# Altium PCB waffling80-ALPS-north.PcbDoc (part 3 of 3)
Units mm, origin at the board's own origin, x right, y up, seen from the top; angles counter-clockwise.
Board outline 343.71 x 124.25 mm, 2 copper layers (Component Side, Bottom Layer), stack 1.171 mm thick; 238 components, 147 nets, 839 pads, 163 vias.
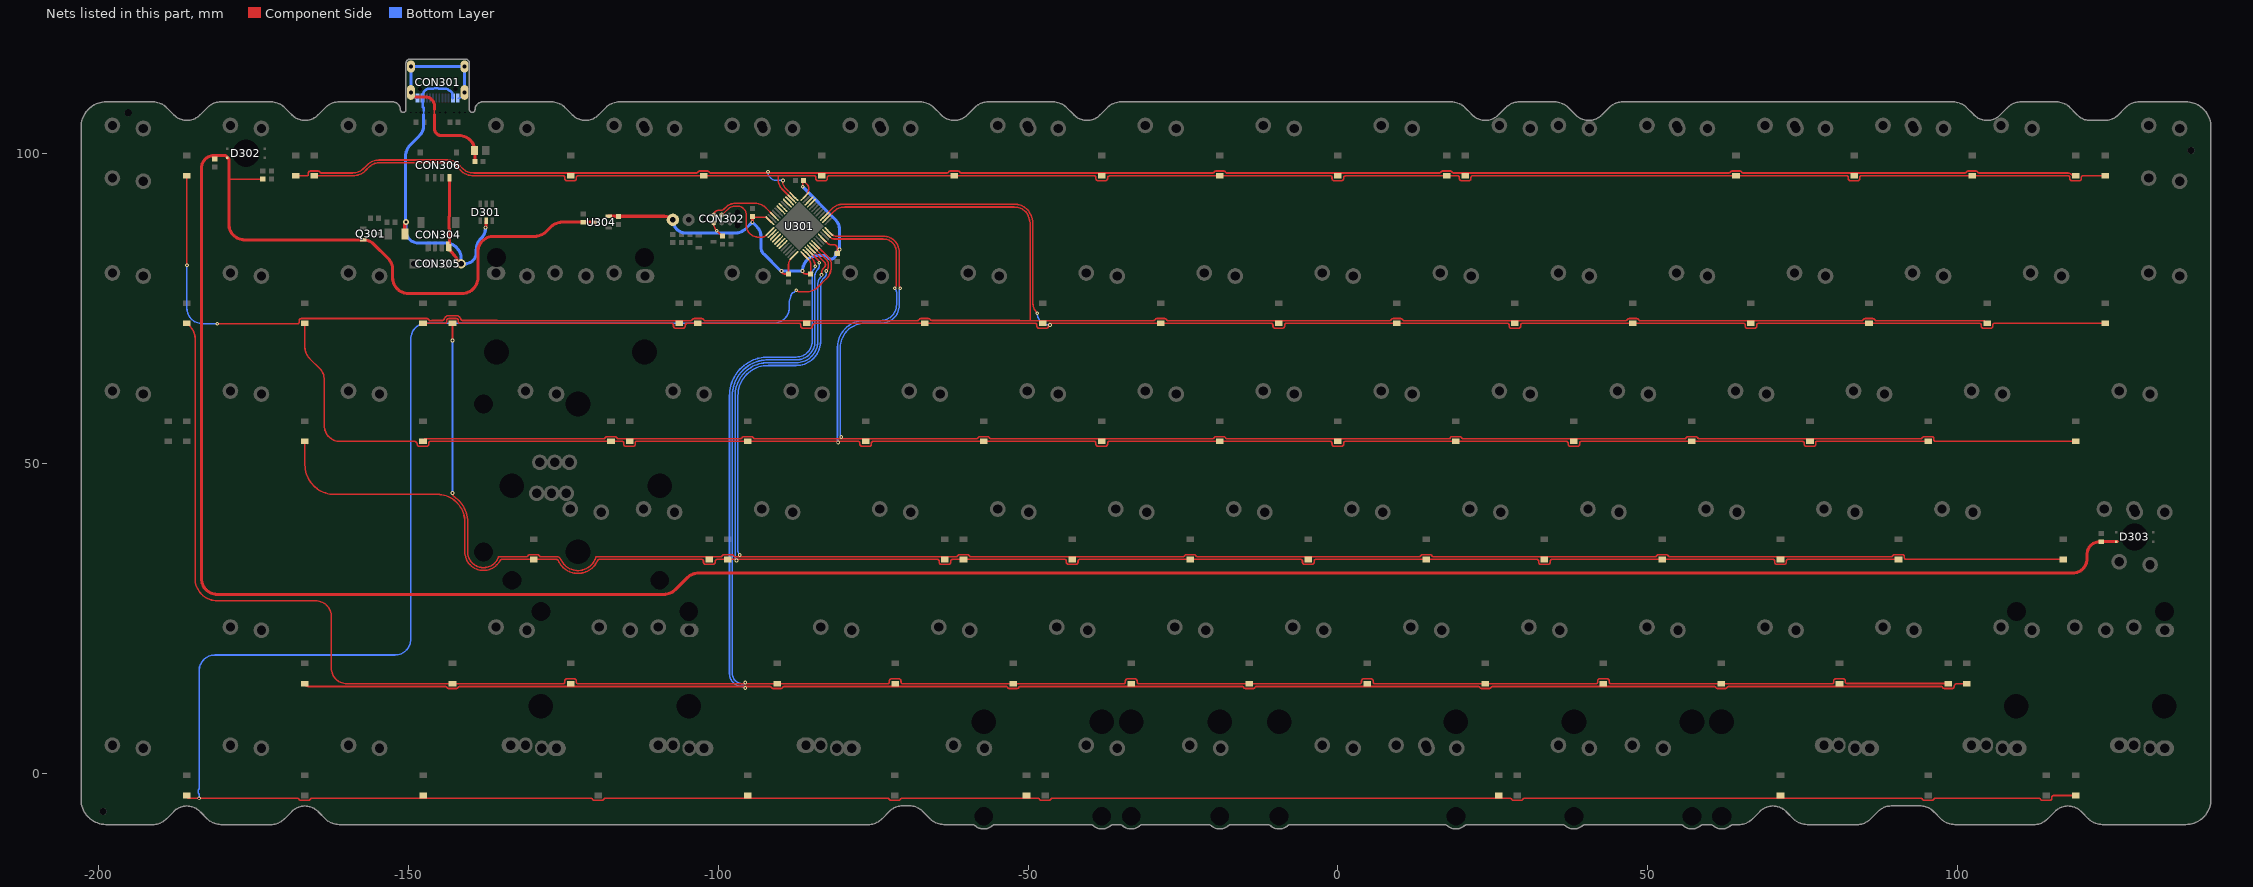
[diagram p3: the nets of this part, all layers, seen from the top]

## Via types
v1: diameter 0.6, hole 0.3, Component Side to Bottom Layer, tented both sides, 136 vias
v2: diameter 0.6, hole 0.3, Component Side to Bottom Layer, tented bottom, 25 vias
v3: diameter 1, hole 0.5, Component Side to Bottom Layer, tented both sides, 2 vias

## Nets (pads, with @x,y where several pads share a name; then routed paths per layer and width w, separated by ;. In a path a pad name is that pad's centre, name@x,y a point inside that pad or via, vN(x,y) a via of type N, cw(c..) or ccw(c..) an arc to the next point about the centre after c; other vN are vias at no path point) (continued)
PA1: D232.2 D235.2 D237.2 D239.2 D241.2 D243.2 D245.2 D247.2 U301.11 | length 335.4
  Component Side w0.254: D232.2@-166.688,72.565 -166.688,68.701 ccw(c-164.147,68.701) -165.944,66.905 -164.32,65.281 cw(c-166.116,63.485) -163.576,63.485 -163.576,56.058 ccw(c-161.036,56.058) -161.036,53.518 -149.033,53.518 cw(c-149.033,53.06) -148.575,53.06 ccw(c-148.248,53.06) -148.248,52.733 -147.028,52.733 ccw(c-147.027,53.06) -146.747,52.892 ccw(c-147.027,53.06) -146.7,53.06 -146.7,53.261 cw(c-146.446,53.261) -146.463,53.515 D247.2@-117.3,53.515 -115.492,53.515 cw(c-115.492,53.261) -115.238,53.261 -115.238,53.06 ccw(c-114.911,53.06) -114.911,52.733 -113.69,52.733 ccw(c-113.69,53.06) -113.363,53.06 -113.363,53.366 cw(c-113.109,53.366) -113.315,53.515 D245.2@-95.251,53.515 -77.392,53.515 cw(c-77.392,53.261) -77.138,53.261 -77.138,53.06 ccw(c-76.811,53.06) -76.811,52.733 -75.59,52.733 ccw(c-75.59,53.06) -75.263,53.06 -75.263,53.261 cw(c-75.009,53.261) -75.009,53.515 D243.2@-57.151,53.515 -39.292,53.515 cw(c-39.292,53.261) -39.038,53.261 -39.038,53.06 ccw(c-38.711,53.06) -38.711,52.733 -37.49,52.733 ccw(c-37.49,53.06) -37.163,53.06 -37.163,53.261 cw(c-36.909,53.261) -36.909,53.515 D241.2@-19.051,53.515 -1.192,53.515 cw(c-1.192,53.261) -0.938,53.261 -0.938,53.06 ccw(c-0.611,53.06) -0.611,52.733 0.61,52.733 ccw(c0.61,53.06) 0.933,53.012 ; U301.11@-82.316,86.865 -82.303,86.865 -81.785,86.348 ccw(c-81.379,86.754) -81.379,86.179 -73.333,86.179 cw(c-73.333,84.093) -71.247,84.093 -71.247,78.845 cw(c-72.114,78.845) v1(-71.501,78.232) ; 0.933,53.013 ccw(c0.61,53.06) 0.937,53.06 0.937,53.261 cw(c1.191,53.261) 1.191,53.515 D239.2@19.049,53.515 36.908,53.515 cw(c36.908,53.261) 37.162,53.261 37.162,53.06 ccw(c37.489,53.06) 37.489,52.733 38.71,52.733 ccw(c38.71,53.06) 39.029,52.992 ccw(c38.71,53.06) 39.037,53.06 39.037,53.261 cw(c39.291,53.261) 39.291,53.515 D237.2@57.149,53.515 75.008,53.515 cw(c75.008,53.261) 75.262,53.261 75.262,53.06 ccw(c75.589,53.06) 75.589,52.733 76.81,52.733 ccw(c76.81,53.06) 77.133,53.012 ; 77.133,53.013 ccw(c76.81,53.06) 77.137,53.06 77.137,53.359 cw(c77.391,53.359) 77.19,53.515 D235.2@95.249,53.515
  Bottom Layer w0.254: v1(-80.645,53.34) cw(c-80.416,53.569) -80.711,53.436 cw(c-80.416,53.569) -80.74,53.569 -80.74,54.026 ccw(c-80.994,54.025) -80.747,54.083 cw(c-80.137,54.229) -80.747,54.375 ccw(c-80.994,54.433) -80.74,54.432 -80.74,68.859 ccw(c-80.987,68.916) -80.734,68.902 cw(c-76.392,68.671) -76.622,73.013 ccw(c-76.637,73.266) -76.58,73.019 -75.43,73.019 -73.755,73.019 ccw(c-73.755,75.559) -71.215,75.559 -71.215,77.542 ccw(c-72.191,77.542) v1(-71.501,78.232)
PA2: D234.2 D236.2 D238.2 D240.2 D242.2 D244.2 D246.2 D248.2 U301.12 | length 318.7
  Component Side w0.254: D248.2@-147.59,53.467 D248.2@-147.637,53.515 cw(c-147.184,53.515) -147.184,53.969 -118.432,53.969 ccw(c-118.434,54.223) -118.205,54.112 cw(c-117.911,53.97) -117.911,54.297 -116.69,54.297 cw(c-116.69,53.97) -116.396,54.112 ccw(c-116.167,54.223) -116.169,53.969 -109.021,53.969 ccw(c-109.021,54.223) -108.966,53.975 -99.441,53.975 cw(c-99.441,53.086) -99.349,53.97 ccw(c-99.324,54.223) -99.325,53.969 -96.382,53.969 ccw(c-96.384,54.223) -96.155,54.112 cw(c-95.861,53.97) -95.861,54.297 -94.64,54.297 cw(c-94.64,53.97) -94.346,54.112 ccw(c-94.117,54.223) -94.119,53.969 -58.282,53.969 ccw(c-58.284,54.223) -58.055,54.112 cw(c-57.761,53.97) -57.761,54.297 -56.54,54.297 cw(c-56.54,53.97) -56.246,54.112 ccw(c-56.017,54.223) -56.019,53.969 -20.182,53.969 ccw(c-20.184,54.223) -19.955,54.112 cw(c-19.661,53.97) -19.661,54.297 -18.44,54.297 cw(c-18.44,53.97) -18.146,54.111 ccw(c-17.917,54.223) -17.919,53.969 18.113,53.969 ; U301.12@-81.962,87.219 -81.669,86.926 ccw(c-80.962,87.633) -80.962,86.633 -73.333,86.633 cw(c-73.333,84.093) -70.793,84.093 -70.793,78.669 ccw(c-70.175,78.669) v1(-70.612,78.232) ; 18.112,53.97 cw(c18.439,53.97) 18.439,54.297 19.66,54.297 cw(c19.66,53.97) 19.954,54.112 ccw(c20.183,54.223) 20.181,53.969 56.018,53.969 ccw(c56.016,54.223) 56.245,54.112 cw(c56.539,53.97) 56.539,54.297 57.76,54.297 cw(c57.76,53.97) 58.054,54.112 ccw(c58.283,54.223) 58.281,53.969 94.118,53.969 ccw(c94.116,54.223) 94.345,54.112 cw(c94.639,53.97) 94.639,54.297 95.86,54.297 cw(c95.86,53.97) 96.154,54.111 cw(c95.86,53.97) 96.187,53.97 96.187,53.769 ccw(c96.441,53.769) 96.441,53.515 D234.2@119.062,53.515
  Bottom Layer w0.254: v1(-80.137,54.229) cw(c-79.777,54.589) -80.285,54.551 cw(c-79.777,54.589) -80.286,54.589 -80.286,68.671 cw(c-76.392,68.671) -76.392,72.565 -73.755,72.565 ccw(c-73.755,75.559) -70.831,74.916 ccw(c-73.755,75.559) -70.761,75.559 -70.761,77.872 cw(c-70.252,77.872) v1(-70.612,78.232)
PA4: D216.2 D218.2 D220.2 D222.2 D224.2 D226.2 D228.2 D230.2 U301.14 | length 367.5
  Component Side w0.254: v1(-185.737,81.936) D216.2@-185.737,96.377 ; v1(-180.838,72.507) -167.879,72.507 ccw(c-167.879,72.761) -167.625,72.761 -167.625,73.02 cw(c-167.298,73.02) -167.584,73.178 cw(c-167.298,73.02) -167.298,73.347 -147.637,73.347 ; -148.248,73.347 -147.637,73.347 ; U301.14@-82.316,89.658 -81.379,90.594 cw(c-79.583,88.798) -79.583,91.338 -52.197,91.338 cw(c-52.197,88.798) -50.399,90.592 cw(c-50.58,90.414) -50.382,90.574 cw(c-52.93,88.519) -49.657,88.519 -49.657,73.019 ; D218.2@104.774,72.565 104.321,73.019 86.856,73.019 cw(c86.858,73.273) 86.629,73.162 ccw(c86.335,73.02) 86.335,73.347 85.114,73.347 ccw(c85.114,73.02) 84.82,73.162 cw(c84.591,73.273) 84.593,73.019 48.756,73.019 cw(c48.758,73.273) 48.529,73.162 ccw(c48.235,73.02) 48.235,73.347 47.014,73.347 ccw(c47.014,73.02) 46.72,73.162 cw(c46.491,73.273) 46.493,73.019 10.656,73.019 cw(c10.658,73.273) 10.429,73.162 ccw(c10.135,73.02) 10.135,73.347 8.914,73.347 ccw(c8.914,73.02) 8.62,73.162 cw(c8.391,73.273) 8.393,73.019 -27.444,73.019 cw(c-27.442,73.273) -27.671,73.162 ccw(c-27.965,73.02) -27.965,73.347 -29.186,73.347 ccw(c-29.186,73.02) -29.48,73.162 cw(c-29.709,73.273) -29.707,73.019 -49.657,73.019 ; -147.637,73.347 -147.027,73.347 cw(c-147.027,73.02) -146.943,73.336 cw(c-147.027,73.02) -146.733,73.162 ccw(c-146.504,73.273) -146.506,73.019 -146.243,73.019 ccw(c-146.244,73.273) -146.218,73.02 -146.187,73.024 cw(c-146.161,72.771) -146.162,73.025 -144.486,73.025 ccw(c-144.488,73.279) -144.242,73.215 cw(c-143.486,73.02) -143.486,73.801 -142.265,73.801 cw(c-142.265,73.02) -141.509,73.214 ccw(c-141.263,73.279) -141.265,73.025 -135.636,73.025 -135.636,73.019 -104.407,73.019 ccw(c-104.409,73.273) -104.18,73.162 cw(c-103.886,73.02) -103.886,73.347 -102.665,73.347 cw(c-102.665,73.02) -102.371,73.162 ccw(c-102.142,73.273) -102.144,73.019 -67.807,73.019 ccw(c-67.809,73.273) -67.58,73.162 cw(c-67.286,73.02) -67.286,73.347 -66.065,73.347 cw(c-66.065,73.02) -65.774,73.168 ccw(c-65.548,73.285) -65.549,73.031 -51.402,73.031 cw(c-51.402,72.777) -51.325,73.019 -49.657,73.019
  Bottom Layer w0.254: v1(-185.737,81.936) -185.737,75.047 ccw(c-183.197,75.047) -183.197,72.507 v1(-180.838,72.507)
PA5: D217.2 D219.2 D221.2 D223.2 D225.2 D227.2 D229.2 D231.2 U301.15 | length 334
  Component Side w0.254: D231.2@-147.637,72.565 -144.067,72.565 ccw(c-144.067,72.819) -143.813,72.819 -143.813,73.02 cw(c-143.486,73.02) -143.486,73.347 -142.265,73.347 cw(c-142.265,73.02) -141.938,73.02 -141.938,72.819 ccw(c-141.684,72.819) -141.684,72.565 -107.467,72.565 cw(c-107.467,72.311) -107.213,72.311 -107.213,72.11 ccw(c-106.886,72.11) -106.886,71.783 -105.665,71.783 ccw(c-105.665,72.11) -105.338,72.11 -105.338,72.311 cw(c-105.084,72.311) -105.084,72.565 -104.963,72.565 ; -105.265,72.369 -105.142,72.491 cw(c-104.963,72.311) -104.963,72.565 ; U301.15@-82.669,90.012 -81.633,91.048 cw(c-79.837,89.252) -79.837,91.792 -52.197,91.792 cw(c-52.197,88.798) -50.909,91.501 cw(c-52.197,88.798) -50.076,90.912 cw(c-50.58,90.414) -50.056,90.89 cw(c-50.58,90.414) -50.03,90.86 cw(c-52.93,88.519) -49.765,90.487 cw(c-52.93,88.519) -49.203,88.519 -49.203,75.862 ccw(c-46.852,75.862) v1(-48.515,74.2) ; D217.2@123.824,72.565 105.966,72.565 ccw(c105.966,72.311) 105.712,72.311 105.712,72.11 cw(c105.385,72.11) 105.619,71.882 cw(c105.385,72.11) 105.385,71.783 104.164,71.783 cw(c104.164,72.11) 103.837,72.11 103.837,72.311 ccw(c103.583,72.311) 103.583,72.565 D219.2@85.724,72.565 67.866,72.565 ccw(c67.866,72.311) 67.612,72.311 67.612,72.11 cw(c67.285,72.11) 67.582,71.974 cw(c67.285,72.11) 67.285,71.783 66.064,71.783 cw(c66.064,72.11) 65.737,72.11 65.737,72.311 ccw(c65.483,72.311) 65.483,72.565 D221.2@47.624,72.565 29.766,72.565 ccw(c29.766,72.311) 29.512,72.311 29.512,72.11 cw(c29.185,72.11) 29.185,71.783 27.964,71.783 cw(c27.964,72.11) 27.637,72.11 27.637,72.311 ccw(c27.383,72.311) 27.383,72.565 D223.2@9.524,72.565 -8.334,72.565 ccw(c-8.334,72.311) -8.588,72.311 -8.588,72.11 cw(c-8.915,72.11) -8.596,72.042 cw(c-8.915,72.11) -8.915,71.783 -10.136,71.783 cw(c-10.136,72.11) -10.463,72.11 -10.463,72.311 ccw(c-10.717,72.311) -10.717,72.565 D225.2@-28.576,72.565 -46.434,72.565 ccw(c-46.434,72.311) -46.688,72.311 -46.688,72.11 cw(c-47.015,72.11) -47.015,71.783 -48.236,71.783 cw(c-48.236,72.11) -48.563,72.11 -48.563,72.311 ccw(c-48.817,72.311) -48.817,72.565 D227.2@-66.676,72.565 -84.331,72.565 ccw(c-84.331,72.107) -84.789,72.107 cw(c-85.115,72.11) -84.795,72.044 cw(c-85.115,72.11) -85.115,71.783 -86.336,71.783 cw(c-86.336,72.11) -86.663,72.11 -86.663,72.311 ccw(c-86.917,72.311) -86.917,72.565 D229.2@-103.276,72.565 -104.963,72.565
  Bottom Layer w0.254: v1(-48.515,74.2) ccw(c-46.625,74.2) -46.625,72.311 v1(-46.434,72.311)
PA9: U301.30
PA10: U301.31
PA15: U301.38
PB3: U301.39
PB4: U301.40
PB5: U301.41
PB6: U301.42
PB7: U301.43
PB10: U301.21
PB11: U301.22
PB12: D203.2 D205.2 D207.2 D209.2 D211.2 D213.2 D215.2 D290.2 U301.25 | length 297.2
  Component Side w0.254: D215.2@-168.188,96.377 -166.379,96.377 ccw(c-166.379,96.631) -166.125,96.631 -166.125,96.832 cw(c-165.798,96.832) -165.798,97.159 -164.578,97.159 cw(c-164.578,96.832) -164.283,96.974 ccw(c-164.055,97.085) -164.056,96.831 -158.983,96.831 ccw(c-158.983,99.371) -157.187,97.575 -156.573,98.189 cw(c-154.777,96.393) -154.777,98.933 -143.673,98.933 cw(c-143.673,96.393) -141.877,98.189 -141.263,97.575 ccw(c-139.467,99.371) -139.467,96.831 -103.494,96.831 ccw(c-103.495,97.085) -103.267,96.974 cw(c-102.972,96.832) -102.972,97.159 -101.752,97.159 cw(c-101.752,96.832) -101.457,96.974 ccw(c-101.229,97.085) -101.23,96.831 -63.045,96.831 ccw(c-63.047,97.085) -62.818,96.974 cw(c-62.524,96.832) -62.524,97.159 -61.303,97.159 cw(c-61.303,96.832) -61.009,96.974 ccw(c-60.78,97.085) -60.782,96.831 -20.182,96.831 ccw(c-20.184,97.085) -19.955,96.974 cw(c-19.661,96.832) -19.661,97.159 -18.44,97.159 cw(c-18.44,96.832) -18.146,96.974 ccw(c-17.917,97.085) -17.919,96.831 16.417,96.831 ccw(c16.416,97.085) 16.644,96.974 cw(c16.939,96.832) 16.939,97.159 18.159,97.159 cw(c18.159,96.832) 18.431,97.013 cw(c18.159,96.832) 18.454,96.974 ccw(c18.682,97.085) 18.681,96.831 63.13,96.831 ccw(c63.129,97.085) 63.357,96.974 cw(c63.652,96.832) 63.652,97.159 64.872,97.159 cw(c64.872,96.832) 65.167,96.974 ccw(c65.395,97.085) 65.394,96.831 101.23,96.831 ccw(c101.229,97.085) 101.457,96.974 cw(c101.752,96.832) 101.752,97.159 102.972,97.159 cw(c102.972,96.832) 103.267,96.974 ccw(c103.495,97.085) 103.494,96.831 117.871,96.831 cw(c117.871,96.123) 118.473,96.496 ccw(c118.688,96.631) 118.504,96.456 118.579,96.456 D290.2@119.062,96.377 ; v1(-89.535,95.631) -89.566,95.6 -89.566,95.285 ccw(c-88.451,95.285) -89.24,94.496 U301.25@-87.937,93.194
  Bottom Layer w0.254: v1(-91.948,97.028) ccw(c-90.551,97.028) -90.551,95.631 v1(-89.535,95.631)
PB13: D201.2 D202.2 D204.2 D206.2 D208.2 D210.2 D212.2 D214.2 U301.26 | length 302
  Component Side w0.254: D214.2@-165.188,96.377 -158.983,96.377 ccw(c-158.983,99.371) -156.865,97.255 -156.253,97.867 cw(c-154.777,96.393) -154.777,98.479 -143.673,98.479 cw(c-143.673,96.393) -142.195,97.865 -141.586,97.256 ccw(c-139.467,99.371) -139.467,96.377 -125.017,96.377 cw(c-125.017,96.123) -124.763,96.123 -124.763,95.922 ccw(c-124.436,95.922) -124.436,95.595 -123.215,95.595 ccw(c-123.215,95.922) -122.932,95.759 ccw(c-123.215,95.922) -122.888,95.922 -122.888,96.123 cw(c-122.634,96.123) -122.634,96.377 D212.2@-102.362,96.377 -90.285,96.377 ; U301.26@-88.291,92.84 -89.721,94.271 cw(c-88.361,95.631) -90.285,95.631 -90.285,96.377 ; D201.2@123.824,96.377 120.254,96.377 ccw(c120.254,96.123) 120,96.123 120,95.922 cw(c119.673,95.922) 119.999,95.915 cw(c119.673,95.922) 119.673,95.595 118.452,95.595 cw(c118.452,95.922) 118.125,95.922 118.125,96.123 ccw(c117.871,96.123) 117.871,96.377 D202.2@102.362,96.377 84.378,96.377 ccw(c84.503,96.156) 84.249,96.156 84.249,95.922 cw(c83.922,95.922) 83.922,95.595 82.702,95.595 cw(c82.702,95.922) 82.375,95.922 82.375,96.123 ccw(c82.121,96.123) 82.121,96.377 D204.2@64.262,96.377 21.74,96.377 ccw(c21.74,96.123) 21.486,96.123 21.486,95.922 cw(c21.159,95.922) 21.159,95.595 19.939,95.595 cw(c19.939,95.922) 19.612,95.922 19.612,96.123 ccw(c19.358,96.123) 19.358,96.377 D206.2@17.549,96.377 1.529,96.377 ccw(c1.529,93.837) 1.153,96.349 ccw(c1.191,96.098) 0.937,96.099 0.937,95.922 cw(c0.61,95.922) 0.61,95.595 -0.611,95.595 cw(c-0.611,95.922) -0.938,95.922 -0.938,96.129 ccw(c-1.192,96.129) -1.134,96.377 D208.2@-19.051,96.377 -36.473,96.377 ccw(c-36.473,93.837) -36.792,96.357 ccw(c-36.473,93.837) -36.959,96.33 ccw(c-36.909,96.081) -37.163,96.082 -37.163,95.922 cw(c-37.49,95.922) -37.164,95.915 cw(c-37.49,95.922) -37.49,95.595 -38.711,95.595 cw(c-38.711,95.922) -39.038,95.922 -39.038,96.123 ccw(c-39.292,96.123) -39.292,96.377 D210.2@-61.914,96.377 -82.121,96.377 ccw(c-82.121,96.123) -82.375,96.123 -82.375,95.922 cw(c-82.702,95.922) -82.702,95.595 -83.922,95.595 cw(c-83.922,95.922) -84.249,95.922 -84.249,96.123 ccw(c-84.503,96.123) -84.503,96.377 -90.285,96.377
PB14: U301.27
PB15: U301.28
PC13: D265.2 D267.2 D269.2 D271.2 D273.2 D275.2 D277.2 D279.2 U301.2 | length 352.1
  Component Side w0.254: D279.2@-166.688,14.415 ccw(c-166.234,14.415) -166.604,14.153 ccw(c-166.234,14.415) -166.234,13.961 -144.007,13.961 cw(c-144.009,13.707) -143.78,13.818 ccw(c-143.486,13.96) -143.738,13.752 ccw(c-143.486,13.96) -143.486,13.633 -142.265,13.633 ccw(c-142.265,13.96) -141.986,13.79 cw(c-141.77,13.657) -141.95,13.836 -141.898,13.888 cw(c-141.719,13.708) -141.738,13.961 ; -141.737,13.961 -91.62,13.961 cw(c-91.621,13.707) -91.393,13.818 ccw(c-91.098,13.96) -91.098,13.633 -89.878,13.633 ccw(c-89.878,13.96) -89.583,13.819 cw(c-89.355,13.707) -89.356,13.961 -53.52,13.961 cw(c-53.521,13.707) -53.292,13.818 ccw(c-52.998,13.96) -52.998,13.633 -51.778,13.633 ccw(c-51.778,13.96) -51.483,13.818 cw(c-51.255,13.707) -51.256,13.961 -15.42,13.961 cw(c-15.421,13.707) -15.192,13.818 ccw(c-14.898,13.96) -14.898,13.633 -13.678,13.633 ccw(c-13.678,13.96) -13.383,13.819 cw(c-13.155,13.707) -13.156,13.961 22.68,13.961 cw(c22.679,13.707) 22.908,13.818 ccw(c23.202,13.96) 23.202,13.633 24.422,13.633 ccw(c24.422,13.96) 24.717,13.818 cw(c24.945,13.707) 24.944,13.961 60.78,13.961 cw(c60.779,13.707) 61.008,13.818 ccw(c61.302,13.96) 61.302,13.633 62.522,13.633 ccw(c62.522,13.96) 62.817,13.818 cw(c63.045,13.707) 63.044,13.961 97.383,13.961 cw(c97.381,13.707) 97.61,13.818 ccw(c97.904,13.96) 97.904,13.633 99.125,13.633 ccw(c99.125,13.96) 99.451,13.958 cw(c99.705,13.954) 99.452,13.969 cw(c99.705,13.954) 99.454,13.988 cw(c99.945,13.919) 99.945,14.415 D265.2@101.514,14.415 ; U301.2@-85.498,83.683 -84.841,83.027 ; -84.84,83.026 cw(c-86.08,81.788) v1(-84.328,81.788)
  Bottom Layer w0.254: v1(-95.631,13.716) ccw(c-95.834,13.564) -95.655,13.743 -95.801,13.889 ccw(c-95.981,13.71) -95.999,13.964 cw(c-96.075,15.028) -96.075,13.961 cw(c-96.075,16.057) -96.337,13.977 cw(c-96.075,16.057) -98.171,16.057 -98.171,60.911 cw(c-91.953,60.911) -97.36,63.981 cw(c-91.953,60.911) -96.242,65.413 ccw(c-96.418,65.596) -96.227,65.429 cw(c-95.883,65.132) -96.206,65.452 cw(c-95.704,64.952) -96.134,65.514 ccw(c-96.289,65.715) -96.12,65.526 cw(c-91.953,60.911) -95.217,66.204 ; -95.189,66.22 cw(c-91.953,60.911) -94.282,66.676 cw(c-91.953,60.911) -93.69,66.881 cw(c-91.953,60.911) -93.627,66.899 ccw(c-93.697,67.144) -93.606,66.906 -93.584,66.915 cw(c-93.325,66.256) -93.435,66.955 cw(c-93.363,66.507) -93.406,66.959 ccw(c-93.431,67.212) -93.375,66.964 cw(c-91.953,60.911) -92.361,67.116 ccw(c-92.379,67.369) -92.351,67.116 -92.287,67.124 cw(c-92.203,66.421) -92.205,67.129 ; -92.204,67.129 -87.377,67.129 ccw(c-87.377,69.669) -84.837,69.669 -84.837,80.393 cw(c-83.326,80.393) -84.613,81.183 -84.554,81.243 ccw(c-84.744,81.411) -84.532,81.27 cw(c-83.002,80.259) -84.435,81.404 ccw(c-84.634,81.562) -84.407,81.448 ccw(c-84.634,81.562) -84.406,81.451 ccw(c-85.099,81.788) -84.394,81.475 ccw(c-85.099,81.788) v1(-84.328,81.788)
PC14: D233.2 D266.2 D268.2 D270.2 D272.2 D274.2 D276.2 D278.2 U301.3 | length 425.7
  Component Side w0.254: D233.2@-185.737,72.565 -185.163,71.99 cw(c-186.959,70.194) -184.419,70.194 -184.419,31.369 ccw(c-180.848,31.369) -180.848,27.798 -164.973,27.798 cw(c-164.973,25.258) -162.438,25.417 cw(c-164.973,25.258) -162.433,25.258 -162.433,16.955 ccw(c-159.893,16.955) -159.893,14.415 D278.2@-142.876,14.415 -125.017,14.415 ccw(c-125.017,14.669) -124.763,14.669 -124.763,14.87 cw(c-124.436,14.87) -124.436,15.197 -123.215,15.197 cw(c-123.215,14.87) -122.888,14.87 -122.888,14.669 ccw(c-122.634,14.669) -122.634,14.415 D276.2@-90.488,14.415 -72.629,14.415 ccw(c-72.629,14.669) -72.375,14.669 -72.375,14.87 cw(c-72.048,14.87) -72.048,15.197 -70.828,15.197 cw(c-70.828,14.87) -70.501,14.87 -70.501,14.669 ccw(c-70.247,14.669) -70.247,14.415 D274.2@-52.388,14.415 -34.529,14.415 ccw(c-34.529,14.669) -34.275,14.669 -34.275,14.87 cw(c-33.948,14.87) -33.948,15.197 -32.728,15.197 cw(c-32.728,14.87) -32.401,14.87 -32.401,14.669 ccw(c-32.147,14.669) -32.147,14.415 D272.2@-14.288,14.415 3.571,14.415 ccw(c3.571,14.669) 3.825,14.669 3.825,14.87 cw(c4.152,14.87) 3.825,14.873 cw(c4.152,14.87) 4.152,15.197 5.372,15.197 cw(c5.372,14.87) 5.699,14.87 5.699,14.669 ccw(c5.953,14.669) 5.953,14.415 D270.2@23.812,14.415 41.671,14.415 ccw(c41.671,14.669) 41.925,14.669 41.925,14.87 cw(c42.252,14.87) 42.252,15.197 43.472,15.197 cw(c43.472,14.87) 43.799,14.87 43.799,14.669 ccw(c44.053,14.669) 44.053,14.415 D268.2@61.912,14.415 79.771,14.415 ccw(c79.771,14.669) 80.025,14.669 80.025,14.87 cw(c80.352,14.87) 80.352,15.197 81.572,15.197 cw(c81.572,14.87) 81.899,14.87 81.899,14.699 ccw(c82.153,14.699) 82.153,14.445 98.031,14.445 D266.2@98.514,14.415 ; U301.3@-85.144,84.037 -83.84,82.733 cw(c-84.231,82.343) -83.745,82.605 cw(c-84.231,82.343) v1(-83.679,82.343)
  Bottom Layer w0.254: -96.015,65 cw(c-91.953,60.911) -95.998,65.017 ; -95.883,65.132 cw(c-95.704,64.952) -95.842,65.165 ; v1(-95.631,14.605) -95.641,14.595 cw(c-96.075,15.028) -96.075,14.415 cw(c-96.075,16.057) -97.717,16.057 -97.717,60.911 cw(c-91.953,60.911) -96.334,64.657 cw(c-91.953,60.911) -95.998,65.017 ; -93.364,66.507 ccw(c-93.325,66.256) -93.417,66.493 -93.461,66.476 cw(c-93.553,66.712) -93.485,66.468 ccw(c-91.953,60.911) -93.567,66.444 ccw(c-91.953,60.911) -93.858,66.351 ccw(c-91.953,60.911) -95.842,65.165 ; -93.363,66.507 ccw(c-93.364,66.761) -93.306,66.514 cw(c-91.953,60.911) -92.792,66.614 cw(c-91.953,60.911) -92.321,66.663 ccw(c-92.338,66.917) -92.309,66.664 -92.232,66.673 cw(c-92.203,66.421) -92.204,66.675 -87.377,66.675 ccw(c-87.377,69.669) -84.383,69.669 -84.383,80.259 cw(c-83.002,80.259) -83.978,81.235 -83.964,81.249 ; -83.964,81.249 ccw(c-84.654,81.939) -83.871,81.357 cw(c-83.667,81.205) -83.858,81.373 ccw(c-84.328,81.788) -83.707,81.7 cw(c-83.456,81.663) -83.704,81.719 ccw(c-84.654,81.939) -83.679,81.939 v1(-83.679,82.343) ; -95.998,65.018 cw(c-91.953,60.911) -95.842,65.165
PC15: D249.2 D252.2 D254.2 D256.2 D258.2 D260.2 D262.2 D296.2 U301.4 | length 345.3
  Component Side w0.254: D249.2@-166.283,53.111 -166.335,53.187 D249.2@-166.688,53.515 -166.688,49.742 ccw(c-161.903,49.742) -161.903,44.958 -145.328,44.958 cw(c-145.328,40.511) -140.881,40.511 -140.881,36.15 ccw(c-140.427,36.147) -140.871,36.057 cw(c-141.12,36.007) -140.868,35.982 ccw(c-137.877,35.692) -140.554,34.327 ; -140.042,33.608 cw(c-137.877,35.692) -140.554,34.327 ; -122.532,32.219 cw(c-122.637,35.692) -123.259,32.273 ; U301.4@-84.791,84.39 -82.845,82.445 cw(c-83.258,82.032) -82.674,82.032 cw(c-83.258,82.032) -82.845,81.62 -83.043,81.422 ccw(c-82.392,80.772) -83.312,80.772 v1(-83.312,80.391) ; D252.2@90.487,34.465 72.628,34.465 ccw(c72.628,34.211) 72.374,34.211 72.374,34.01 cw(c72.047,34.01) 72.047,33.683 70.827,33.683 cw(c70.827,34.01) 70.5,34.01 70.5,34.211 ccw(c70.246,34.211) 70.246,34.465 D254.2@52.387,34.465 34.528,34.465 ccw(c34.528,34.211) 34.274,34.211 34.274,34.01 cw(c33.947,34.01) 33.947,33.683 32.727,33.683 cw(c32.727,34.01) 32.4,34.01 32.4,34.211 ccw(c32.146,34.211) 32.146,34.465 D256.2@14.287,34.465 -3.572,34.465 ccw(c-3.572,34.211) -3.826,34.211 -3.826,34.01 cw(c-4.153,34.01) -4.153,33.683 -5.373,33.683 cw(c-5.373,34.01) -5.7,34.01 -5.7,34.211 ccw(c-5.954,34.211) -5.954,34.465 D258.2@-23.813,34.465 -41.672,34.465 ccw(c-41.672,34.211) -41.926,34.211 -41.926,34.01 cw(c-42.253,34.01) -42.253,33.683 -43.473,33.683 cw(c-43.473,34.01) -43.8,34.01 -43.8,34.211 ccw(c-44.054,34.211) -44.054,34.465 D260.2@-60.413,34.465 -62.222,34.465 ccw(c-62.222,34.211) -62.476,34.211 -62.476,34.01 cw(c-62.803,34.01) -62.803,33.683 -64.023,33.683 cw(c-64.023,34.01) -64.35,34.01 -64.35,34.211 ccw(c-64.604,34.211) -64.604,34.465 -70.866,34.465 cw(c-70.866,34.919) -70.926,34.469 ccw(c-70.958,34.217) -70.957,34.471 -77.638,34.471 -77.638,34.465 D262.2@-98.431,34.465 -100.167,34.465 ccw(c-100.167,34.211) -100.346,34.391 -100.42,34.317 ccw(c-100.239,34.138) -100.493,34.138 -100.493,34.01 cw(c-100.82,34.01) -100.82,33.683 -102.041,33.683 cw(c-102.041,34.01) -102.368,34.01 -102.368,34.211 ccw(c-102.622,34.211) -102.622,34.465 -119.216,34.465 ccw(c-119.214,34.211) -119.447,34.313 cw(c-122.637,35.692) -121.994,32.277 cw(c-122.637,35.692) -123.259,32.273 ; -140.554,34.327 ccw(c-137.877,35.692) -135.199,34.328 cw(c-134.974,34.211) -135.194,34.338 cw(c-134.974,34.211) -134.975,34.465 D296.2@-129.789,34.465 -126.058,34.465 cw(c-126.059,34.211) -125.826,34.312 ccw(c-122.637,35.692) -125.519,33.751 ccw(c-122.637,35.692) -124.774,32.952 ccw(c-122.637,35.692) -123.259,32.273
  Bottom Layer w0.254: v1(-97.028,34.29) cw(c-96.461,34.857) -97.263,34.857 -97.263,60.911 cw(c-91.953,60.911) -96.233,64.054 cw(c-91.953,60.911) -95.339,65.002 cw(c-91.953,60.911) -91.953,66.221 -87.377,66.221 ccw(c-87.377,69.669) -84.348,68.021 ccw(c-87.377,69.669) -83.929,69.669 -83.929,78.764 ccw(c-84.182,78.766) -83.928,78.765 -83.928,78.833 cw(c-82.231,78.827) -83.511,79.941 ; -83.661,79.742 cw(c-82.231,78.827) -83.511,79.941 ; v1@-83.378,80.126 ccw(c-83.875,80.391) v1(-83.312,80.391) cw(c-84.037,80.391) -83.362,80.126 cw(c-83.598,80.219) -83.418,80.04 -83.43,80.029 ccw(c-82.231,78.827) -83.511,79.941
PF0: D251.2 D253.2 D255.2 D257.2 D259.2 D261.2 D263.2 D264.2 U301.5 | length 362.2
  Component Side w0.254: v1(-142.875,45.18) ccw(c-142.096,45.18) -142.647,44.629 -142.601,44.584 cw(c-145.328,40.511) -141.364,43.393 cw(c-145.328,40.511) -140.427,40.511 -140.427,40.242 ccw(c-140.173,40.243) -140.425,40.214 cw(c-142.947,39.914) -140.407,39.914 -140.407,36.015 ccw(c-137.877,35.692) -140.427,35.769 ccw(c-137.877,35.692) -140.427,35.765 ccw(c-137.877,35.692) -139,33.401 ; v1(-142.876,69.79) D264.2@-142.876,72.565 ; -138.998,33.401 ccw(c-137.877,35.692) -138.996,33.4 ccw(c-137.877,35.692) -137.986,33.143 ; -137.694,33.148 cw(c-137.877,35.692) -137.986,33.143 ; -125.411,34.495 ccw(c-126.059,34.211) -126.058,34.919 -128.657,34.919 cw(c-128.655,35.173) -128.884,35.061 ccw(c-129.178,34.92) -129.178,35.247 -130.399,35.247 ccw(c-130.399,34.92) -130.693,35.062 cw(c-130.922,35.173) -130.92,34.919 -135.248,34.919 ccw(c-135.248,34.593) -135.337,34.907 ccw(c-135.267,34.662) -135.503,34.757 cw(c-137.877,35.692) -135.549,34.649 cw(c-137.877,35.692) -135.575,34.593 cw(c-137.877,35.692) -137.325,33.201 cw(c-137.877,35.692) -137.986,33.143 ; -125.4,34.472 ccw(c-122.637,35.692) -119.768,34.746 cw(c-119.527,34.665) -119.528,34.919 -99.562,34.919 ccw(c-99.564,35.173) -99.335,35.062 cw(c-99.041,34.92) -99.041,35.247 -97.821,35.247 cw(c-97.821,34.92) -97.526,35.062 ccw(c-97.297,35.173) -97.299,34.919 -79.064,34.919 ccw(c-79.065,35.173) -79.033,34.921 cw(c-78.973,34.471) -78.973,34.925 -70.866,34.925 -70.866,34.919 -61.545,34.919 ccw(c-61.546,35.173) -61.318,35.062 cw(c-61.023,34.92) -61.163,35.216 cw(c-61.023,34.92) -61.023,35.247 -59.803,35.247 cw(c-59.803,34.92) -59.508,35.062 ccw(c-59.28,35.173) -59.281,34.919 -24.945,34.919 ccw(c-24.946,35.173) -24.718,35.062 cw(c-24.423,34.92) -24.423,35.247 -23.203,35.247 cw(c-23.203,34.92) -22.908,35.062 ccw(c-22.68,35.173) -22.681,34.919 13.155,34.919 ccw(c13.154,35.173) 13.382,35.062 cw(c13.677,34.92) 13.677,35.247 14.897,35.247 cw(c14.897,34.92) 15.192,35.061 ccw(c15.42,35.173) 15.419,34.919 51.255,34.919 ccw(c51.254,35.173) 51.482,35.062 cw(c51.777,34.92) 51.777,35.247 52.997,35.247 cw(c52.997,34.92) 53.292,35.062 ccw(c53.52,35.173) 53.519,34.919 89.355,34.919 ccw(c89.354,35.173) 89.582,35.062 cw(c89.877,34.92) 89.877,35.247 91.097,35.247 cw(c91.097,34.92) 91.424,34.92 91.424,34.758 ccw(c91.717,34.758) 91.717,34.465 D251.2@117.099,34.465 ; U301.5@-84.437,84.744 -82.469,82.777 cw(c-83.071,82.175) -82.22,82.175 -82.22,81.822 cw(c-83.346,81.822) v1(-82.55,81.026)
  Bottom Layer w0.254: v1@-142.875,45.18 v1@-142.875,69.79 ; v1(-96.52,35.179) cw(c-95.822,35.877) -96.809,35.877 -96.809,60.911 cw(c-91.953,60.911) -91.953,65.767 -87.377,65.767 ccw(c-87.377,69.669) -84.056,67.62 ccw(c-87.377,69.669) -83.475,69.669 -83.475,78.827 cw(c-82.231,78.827) -83.111,79.706 ; -83.11,79.706 -82.819,79.998 ccw(c-83.467,80.646) -82.55,80.646 v1(-82.55,81.026)
PF1: D280.2 D282.2 D283.2 D285.2 D287.2 D289.2 D293.2 U301.6 | length 492.8
  Component Side w0.254: D289.2@-185.796,-3.635 ccw(c-185.342,-3.635) -185.342,-4.089 v1(-183.76,-4.089) -167.877,-4.089 cw(c-167.879,-4.343) -167.65,-4.232 ccw(c-167.356,-4.09) -167.356,-4.417 -166.135,-4.417 ccw(c-166.135,-4.09) -165.841,-4.232 cw(c-165.612,-4.343) -165.614,-4.089 -146.665,-4.089 ccw(c-146.665,-3.835) -146.647,-4.088 -146.529,-4.08 cw(c-146.511,-4.334) -146.476,-4.082 ccw(c-146.377,-3.381) -146.377,-4.089 -120.506,-4.089 cw(c-120.508,-4.343) -120.279,-4.232 ccw(c-119.985,-4.09) -119.985,-4.417 -118.764,-4.417 ccw(c-118.764,-4.09) -118.47,-4.232 cw(c-118.241,-4.343) -118.243,-4.089 -72.627,-4.089 cw(c-72.629,-4.343) -72.4,-4.232 ccw(c-72.106,-4.09) -72.365,-4.289 ccw(c-72.106,-4.09) -72.106,-4.417 -70.885,-4.417 ccw(c-70.885,-4.09) -70.591,-4.232 cw(c-70.362,-4.343) -70.364,-4.089 -48.373,-4.089 cw(c-48.374,-4.343) -48.145,-4.232 ccw(c-47.851,-4.09) -47.851,-4.417 -46.631,-4.417 ccw(c-46.631,-4.09) -46.336,-4.232 cw(c-46.108,-4.343) -46.109,-4.089 27.824,-4.089 cw(c27.823,-4.343) 28.052,-4.232 ccw(c28.346,-4.09) 28.346,-4.417 29.566,-4.417 ccw(c29.566,-4.09) 29.861,-4.232 cw(c30.089,-4.343) 30.088,-4.089 94.118,-4.089 cw(c94.117,-4.343) 94.345,-4.232 ccw(c94.64,-4.09) 94.64,-4.417 95.86,-4.417 ccw(c95.86,-4.09) 96.173,-4.186 cw(c96.407,-4.42) 96.407,-4.089 113.168,-4.089 cw(c113.167,-4.343) 113.395,-4.232 ccw(c113.69,-4.09) 113.69,-4.417 114.91,-4.417 ccw(c114.91,-4.09) 115.237,-4.09 115.237,-3.889 cw(c115.491,-3.889) 115.491,-3.635 D280.2@119.062,-3.635 ; v1(-87.408,77.903) ccw(c-86.851,78.46) -87.142,77.728 ccw(c-86.851,78.46) -86.851,77.672 -85.619,77.672 ccw(c-85.619,80.063) -83.929,78.372 ; U301.6@-84.083,85.097 -82.17,83.184 cw(c-83.143,82.21) -81.766,82.21 -81.766,81.587 cw(c-84.306,81.587) -82.51,79.791 -83.929,78.373
  Bottom Layer w0.254: v1(-183.76,-4.089) -183.76,-3.509 ccw(c-184.014,-3.51) -183.809,-3.36 cw(c-183.306,-2.986) -183.809,-2.612 ccw(c-184.014,-2.462) -183.76,-2.463 -183.76,16.51 cw(c-181.22,16.51) -181.22,19.05 -152.146,19.05 ccw(c-152.146,21.59) -149.606,21.59 -149.606,70.05 cw(c-147.066,70.05) -147.066,72.59 -91.059,72.59 ccw(c-91.059,75.13) -88.519,75.13 -88.519,75.912 cw(c-86.58,75.912) -88.287,76.832 ccw(c-88.511,76.951) -88.257,76.954 cw(c-87.63,76.962) -87.791,77.568 ccw(c-87.857,77.813) -87.678,77.633 v1(-87.408,77.903)
RAW: CON301.A4B9 CON301.B4A9 CON304.1 CON305.1 CON306.1 D301.5 F301.2 | length 67.5
  Component Side w0.5: F301.2@-150.542,86.995 -150.582,87.035 -150.582,88.551 -150.368,88.765 v3(-150.368,88.9) ; CON306.1@-143.361,96.05 -143.361,90.057 cw(c-143.861,90.058) -143.387,89.899 ccw(c-142.961,89.754) -143.411,89.754 -143.411,87.954 ccw(c-142.961,87.954) -143.387,87.809 cw(c-143.861,87.65) -143.361,87.652 CON304.1@-143.361,84.8 -143.311,84.45 CON305.1@-141.478,82.169 ; v1(-137.541,88.011) ccw(c-137.787,88.257) -137.439,88.257 D301.5@-137.439,89.112
  Bottom Layer w0.254: -147.539,106.085 -147.539,106.843
  Bottom Layer w0.4: -147.539,106.843 -147.539,107.347 -147.638,107.446 cw(c-147.47,107.613) -147.707,107.613 CON301.A4B9@-147.707,108.92 -147.707,109.261 cw(c-146.516,109.261) -147.607,109.739 cw(c-146.516,109.261) -146.516,110.452 -145.998,110.452 ccw(c-145.999,110.852) -145.891,110.467 cw(c-145.657,109.645) -145.657,110.499 -145.357,110.499 cw(c-145.357,109.645) -145.122,110.467 ccw(c-145.015,110.852) -145.016,110.452 -144.366,110.452 cw(c-144.366,108.597) -143.091,109.945 cw(c-143.357,109.645) -143.074,109.929 cw(c-143.357,109.645) -143.073,109.928 cw(c-143.357,109.645) -143.071,109.925 ccw(c-142.787,110.207) -143.07,109.924 -143.062,109.916 ; -143.061,109.916 -142.907,109.761 -142.907,109.02 CON301.B4A9@-142.807,108.92
  Bottom Layer w0.5: -147.539,106.3 -147.539,104.551 cw(c-150.047,104.551) -148.287,102.764 -149.697,101.354 ccw(c-147.901,99.558) -150.441,99.558 -150.441,88.973 v3(-150.368,88.9) -150.368,87.451 ccw(c-148.463,87.451) -148.463,85.546 -144.018,85.546 cw(c-144.018,83.006) -142.869,85.271 cw(c-144.018,83.006) -141.478,83.006 CON305.1@-141.478,82.169 -140.883,82.169 ccw(c-140.883,84.01) -139.042,84.01 -139.042,84.442 cw(c-136.502,84.442) -138.298,86.238 -138.259,86.277 ccw(c-139.994,88.011) v1(-137.541,88.011)
SHIELD: C313.2 CON301.A1B12 CON301.B1A12 CON301.S1 L301.2 | length 39.2
  Component Side w0.254: -145.796,106.299 -145.796,107.061
  Component Side w0.5: CON301.S1@-149.577,109.835 ccw(c-148.834,109.835) -148.834,109.093 -147.193,109.093 cw(c-147.193,107.696) -145.796,107.696 -145.796,107.061 ; -145.796,106.299 -145.796,104.013 ccw(c-144.653,104.013) -144.653,102.87 -141.787,102.87 cw(c-141.787,100.33) -139.247,100.33 C313.2@-139.247,98.679
  Bottom Layer w0.254: CON301.S1@-149.577,109.835 ccw(c-148.662,109.835) -148.662,108.92 CON301.A1B12@-148.507,108.92 ; CON301.B1A12@-142.007,108.92 -141.852,108.92 ccw(c-141.852,109.835) CON301.S1@-140.937,109.835
  Bottom Layer w0.5: CON301.S1@-149.577,109.835 CON301.S1@-149.577,114.015 CON301.S1@-140.937,114.015 CON301.S1@-140.937,109.835
SWCLK: CON302.4 U301.37 | length 11.3
  Component Side w0.254: CON302.4@-99.441,90.043 -99.374,90.043 -98.48,90.937 cw(c-97.169,89.626) -98.48,90.938 cw(c-97.169,89.626) -97.169,91.48 -96.674,91.48 cw(c-96.873,90.105) -96.05,91.224 cw(c-96.873,90.105) -95.754,90.928 cw(c-96.873,90.105) -95.484,90.105 -95.484,88.448 ccw(c-93.523,88.448) -93.523,86.487 -92.885,86.487 ccw(c-92.885,87.277) U301.37@-92.327,86.718
SWDIO: CON302.2 U301.34 | length 11.1
  Component Side w0.254: CON302.2@-100.711,90.043 cw(c-99.949,90.043) -99.949,90.805 -99.602,90.805 ccw(c-99.602,91.644) -99.009,91.05 ; -99.008,91.051 -98.751,91.308 cw(c-97.206,89.763) -97.206,91.948 -94.03,91.948 cw(c-94.03,89.594) -92.367,91.26 cw(c-94.03,89.594) -92.366,91.259 U301.34@-91.119,90.012
VCC: C307.2 C311.2 C312.2 D302.1 D303.1 Q301.2 R306.1 U304.3 | length 476.7
  Component Side w0.254: -178.963,95.798 cw(c-178.906,95.798) -178.906,95.855 R306.1@-173.482,95.855
  Component Side w0.5: D302.1@-179.07,99.119 ccw(c-179.213,99.119) D302.1@-179.213,99.262 ; U304.3@-120.064,88.9 -125.186,88.9 ccw(c-125.186,86.36) -126.982,88.156 -127.78,87.358 cw(c-129.576,89.154) -129.576,86.614 -136.237,86.614 ccw(c-136.237,84.074) -138.777,84.074 -138.777,79.921 cw(c-141.317,79.921) -141.317,77.381 -149.987,77.381 cw(c-149.987,79.921) -152.527,79.921 -152.527,81.244 ccw(c-155.067,81.244) -153.271,83.04 -155.564,85.333 ccw(c-157.283,83.614) Q301.2@-157.283,86.045 -176.423,86.045 cw(c-176.423,88.585) -178.963,88.585 -178.963,95.798 -178.963,99.012 ccw(c-179.213,99.012) D302.1@-179.213,99.262 ; 125.837,37.35 D303.1@125.587,37.35 123.011,37.35 ccw(c123.011,35.242) 120.904,35.242 120.904,34.544 cw(c118.63,34.544) 118.63,32.27 -103.19,32.27 ccw(c-103.19,29.73) -104.986,31.526 -106.939,29.573 cw(c-108.736,31.369) -108.736,28.829 -180.848,28.829 cw(c-180.848,31.369) -183.388,31.369 -183.388,97.663 cw(c-181.425,97.663) -181.425,99.626 -179.577,99.626 cw(c-179.577,99.262) D302.1@-179.213,99.262
VCC3V3: C301.2 C302.2 C303.2 C304.2 C305.2 C308.2 CON302.1 CON303.2 R303.1 U301.1 U301.9 U301.24 U301.36 U301.48 U304.2 | length 83.9
  Component Side w0.254: CON302.1@-100.711,88.773 -100.711,88.69 ccw(c-99.048,88.69) -100.707,88.575 ccw(c-99.048,88.69) v1(-100.224,87.514) -99.339,86.629 R303.1@-99.314,86.629 ; C305.2@-94.461,89.837 -94.163,89.66 -92.254,89.66 cw(c-92.254,89.406) -92.166,89.644 U301.36@-91.826,89.305 U301.36@-91.42,88.898 ; v1(-89.789,81.026) ccw(c-89.296,81.026) -89.296,80.533 C301.2@-88.646,80.533 -88.646,82.042 cw(c-87.248,82.042) -88.238,83.029 cw(c-87.248,82.042) -88.237,83.03 U301.48@-87.937,83.33 ; U301.1@-86.434,83.913 U301.1@-85.851,83.33 -85.349,82.828 cw(c-85.974,82.202) -85.09,82.202 C303.2@-85.09,80.533 -85.894,80.533 cw(c-85.894,81.026) v1(-86.387,81.026) ; v1(-86.36,94.615) -86.36,95.5 C308.2@-86.247,95.613 -86.247,95.588 -85.597,94.938 ; U301.24@-85.851,93.194 ccw(c-86.938,94.28) -85.401,94.28 -85.401,94.466 ccw(c-86.068,94.466) -85.596,94.938 ; U301.9@-83.023,86.158 -82.333,85.469 ccw(c-81.856,85.946) -81.856,85.271 -81.341,85.271 cw(c-81.341,84.702) -80.772,84.702 C302.2@-80.772,83.835
  Component Side w0.5: U304.2@-117.664,89.85 -108.689,89.85 cw(c-108.689,87.907) CON303.2@-107.315,89.281 ; v1(-94.488,88.9) -94.488,89.772 cw(c-94.396,89.772) C305.2@-94.461,89.837
  Bottom Layer w0.5: CON303.2@-107.315,89.281 ccw(c-105.168,89.281) -105.168,87.134 -97.306,87.134 ccw(c-97.306,89.674) -95.51,87.878 v1(-94.488,88.9) -93.82,88.232 cw(c-95.616,86.436) -93.076,86.436 -93.076,84.709 ccw(c-91.821,84.709) -92.893,84.056 ccw(c-92.445,84.279) -92.828,83.957 -92.802,83.927 cw(c-93.185,83.605) -92.797,83.921 ccw(c-91.821,84.709) -92.611,83.734 cw(c-92.925,83.345) -92.609,83.733 cw(c-92.925,83.345) -92.57,83.697 -90.031,81.159 ccw(c-89.68,81.514) v1(-89.789,81.026) v1(-86.387,81.026) cw(c-83.892,81.026) -83.892,83.521 -82.842,83.521 cw(c-82.844,83.021) -82.422,83.291 ccw(c-81.788,83.692) -81.039,83.724 cw(c-80.54,83.742) -80.895,84.094 -80.63,84.359 cw(c-80.278,84.004) v1(-80.417,84.485) -80.417,87.62 ccw(c-82.957,87.62) -81.161,89.416 v1(-86.36,94.615)
pads on no net: CON301. CON301.A8 CON301.B8 CON302.0 CON302.6 D301.1 D301.6 D302. D303. D303.2 S201. S202. S202_1. S203. S203_1. S204. S204_1. S205. S205_1. S206. S207. S208. S209. S209_1. S210. S210_1. S211. S211_1. S212. S212_1. S213. S214. S215. S216. S217. S218. S219. S220. S221. S222. S223. S224. S225. S226. S227. S228. S229. S230. S231. S232. S233. S234. S235. S236. S237. S238. S239. S240. S241. S242. S243. S244. S245. S246. S247. S248. S249. S250. S251. S252. S253. S254. S255. S256. S257. S258. S259. S260. S261. S262. S263. S264. S265. S266. S267. S268. S269. S270. S271. S272. S273. S274. S275. S276. S277. S278. S279. S280. S281. S282. S283. S284. S285. S286. S287. S288. S289. S290. S293. S294. S294_1. S295. S295_1. S296. S297. S298.

## Polygon pours and split planes (outlines as drawn)
GND on Bottom Layer "Bottom Layer-No Net" (hatched 45Degree grid 1.397 track 0.203, remove dead copper, pour order 0): -202.964,-4.975 ccw(c-198.964,-4.975) -198.964,-8.975 -72.275,-8.975 -72.275,-8.969 -32.406,-8.975 86.078,-8.975 137.036,-8.975 137.036,-8.974 ccw(c137.037,-4.975) 141.036,-4.974 141.036,104.42 ccw(c137.036,104.508) 136.947,108.509 124.647,108.51 37.261,108.509 37.261,108.51 -198.964,108.51 -198.964,108.509 ccw(c-198.964,104.51) -202.964,104.509
GND on Component Side "Component Side-No Net" (hatched 45Degree grid 1.397 track 0.203, remove dead copper, pour order 1): -202.964,-4.975 ccw(c-198.964,-4.975) -198.964,-8.975 -72.275,-8.975 -72.275,-8.969 -32.406,-8.975 86.078,-8.975 137.036,-8.975 137.036,-8.974 ccw(c137.037,-4.975) 141.036,-4.974 141.036,104.42 ccw(c137.036,104.508) 136.947,108.509 124.647,108.51 37.261,108.509 37.261,108.51 -198.964,108.51 -198.964,108.509 ccw(c-198.964,104.51) -202.964,104.509

## Other copper
Component Side:
  pour cut-out: -150.795,106.598 ccw(c-150.795,107.056) -150.337,107.056 -150.337,114.552 cw(c-149.727,114.552) -149.727,115.162 -140.787,115.162 cw(c-140.787,114.568) -140.193,114.568 -140.193,107.072 ccw(c-139.724,107.072) -139.724,106.603 -139.729,106.598
Bottom Layer:
  pour cut-out: -150.795,106.598 ccw(c-150.795,107.056) -150.337,107.056 -150.337,114.552 cw(c-149.727,114.552) -149.727,115.162 -140.787,115.162 cw(c-140.787,114.568) -140.193,114.568 -140.193,107.072 ccw(c-139.724,107.072) -139.724,106.603 -139.729,106.598

## Silkscreen, mask and mechanical layers (free items; w line width, h text height)
Top Overlay:
  drawing of 3 lines, arcs and shapes, not listed
  text "Break away" at -155.288,106.807 h0.9
  text "RESET" at -107.696,91.059 h0.75
  text "GND" at -149.479,80.518 h0.75 r270
  text "DP" at -146.939,80.518 h0.75 r270
  text "DN" at -144.399,80.518 h0.75 r270
  text "VCC" at -141.859,80.391 h0.75 r270
  text "Waffling80" at -187.858,33.162 h3.3
  text "ALPS Rev B2" at -185.166,31.242 h2
  text "Waffling: adj. or verb - indecisive; unable to make up one's mind; playing the safe middle ground due to one's own lack of conviction or sense of morality." at -101.629,28.575 h2.9
Bottom Overlay:
  circle w0.4: c128.434,-4.008 r0.75
  circle w0.4: c104.622,-4.008 r0.75
  circle w0.4: c80.81,-4.008 r0.75
  circle w0.4: c-0.153,-4.008 r0.75
  circle w0.4: c-128.74,-4.008 r0.75
  circle w0.4: c-104.928,-4.008 r0.75
  circle w0.4: c-81.115,-4.008 r0.75
  circle w0.4: c96.869,10.668 r0.75
  circle w0.4: c77.819,10.668 r0.75
  lines w0.2: -97.753,8.438 -71.591,8.438 ; -91.866,11.176 -89.498,11.176 ; -80.028,11.176 -77.66,11.176 ; 72.994,7.93 100.994,7.93 ; 80.346,10.668 82.714,10.668 ; 92.184,10.668 94.552,10.668 ; -200.088,91.44 -190.309,91.44 -190.309,98.171 -200.088,98.171 -200.088,91.44 ; -92.573,11.176 -91.866,11.883 -91.866,10.469 -92.573,11.176 ; -77.66,10.469 -76.953,11.176 -77.66,11.883 -77.66,10.469 ; 79.639,10.668 80.346,9.961 80.346,11.375 79.639,10.668 ; 94.552,9.961 94.552,11.375 95.259,10.668 94.552,9.961 ; 128.524,91.44 128.524,98.171 138.303,98.171 138.303,91.44 128.524,91.44
  text "< F12" at -113.756,96.831 h1.52 r90
  text "< F13" at -109.071,96.831 h1.52 r90
  text "< F12" at -94.706,96.831 h1.52 r90
  text "< F13" at -90.021,96.831 h1.52 r90
  text "< F12" at -75.656,96.831 h1.52 r90
  text "< F13" at -70.971,96.831 h1.52 r90
  text "< F13" at -51.861,96.832 h1.52 r90
  text "< F12" at -47.143,96.832 h1.52 r90
  text "< F12" at 38.582,96.831 h1.52 r90
  text "< F13" at 52.914,96.832 h1.52 r90
  text "< F12" at 57.632,96.832 h1.52 r90
  text "< F13" at 71.964,96.832 h1.52 r90
  text "< F12" at 76.682,96.832 h1.52 r90
  text "< F13" at 91.014,96.832 h1.52 r90
  text "< F12" at 95.732,96.832 h1.52 r90
  text "< F13" at 110.064,96.832 h1.52 r90
  text "< F13" at 29.101,96.741 h1.52 r90
  text "Dual action" at -191.432,92.203 h0.75
  text "Dual action" at 137.35,92.203 h0.75
  text "< 7U" at -57.477,10.851 h1.52 r270
  text "< 6.25U" at -38.681,10.851 h1.52 r270
  text "< 2.75U" at -33.728,10.851 h1.52 r270
  text "< 3U" at -19.504,10.851 h1.52 r270
  text "< 2.75U" at -9.979,10.851 h1.52 r270
  text "< 2.25U" at 37.646,10.851 h1.52 r270
  text "< 7U" at 56.823,10.851 h1.52 r270
  text "< 3U" at 18.596,10.724 h1.52 r270
  text "< 6.25U" at 61.522,10.724 h1.52 r270
  text "x" at -95.194,10.489 h1.75
  text "x" at -75.636,10.489 h1.75
  text "X shows 6.25U space with 1.25U mods" at -72.099,8.942 h0.75
  text "Circles shows Tsangan layout, 7U space" at 100.748,8.434 h0.75
  text "< 3U" at -60.288,7.566 h1.52
  text "< 2.25U" at 62.488,5.786 h1.52 r90
  text "< 3U" at 57.794,5.659 h1.52 r90
  text "x" at -131.452,-4.624 h1.75
  text "x" at -107.639,-4.624 h1.75
  text "x" at -83.827,-4.624 h1.75
  text "x" at -60.015,-4.624 h1.75
  text "x" at 11.423,-4.624 h1.75
  text "x" at 82.861,-4.624 h1.75
  text "x" at 106.673,-4.624 h1.75
  text "x" at 130.485,-4.624 h1.75
outline:
  drawing of 171 lines, arcs and shapes, not listed
Mechanical 3:
  drawing of 5676 lines, arcs and shapes, not listed
Mechanical 7:
  drawing of 2374 lines, arcs and shapes, not listed
Mechanical 16:
  circle w0.013: c57.213,8.255 r1.994
  circle w0.013: c61.976,8.255 r1.994
  circle w0.013: c61.976,-6.985 r1.524
  circle w0.013: c57.213,-6.985 r1.524
  circle w0.013: c-38.1,-6.985 r1.524
  circle w0.013: c-38.1,8.255 r1.994
  circle w0.013: c5.112,0 r0.851
  circle w0.013: c6.858,0 r0.851
  circle w0.013: c3.842,2.54 r0.749
  circle w0.013: c15.748,2.54 r0.749
  circle w0.013: c17.018,0 r0.851
  circle w0.013: c11.938,0 r1.994
  circle w0.013: c9.398,5.08 r0.749
  circle w0.013: c-2.508,5.08 r0.749
  circle w0.013: c0.032,0 r1.994
  circle w0.013: c-5.048,0 r0.851
  circle w0.013: c-57.15,8.255 r1.994
  circle w0.013: c-57.15,-6.985 r1.524

## Text inside footprints (layer, text, board x,y; h text height)
CON301: Mechanical 16 "connector edge" at -148.207,116.17 h1 r180
S283: Mechanical 16 "7U" at -65.831,-1.85 h1.52 r270; Mechanical 16 "6.25U" at -46.265,-3.6 h1.52 r270